# KiCad board 0xaxe.kicad_pcb (continued)
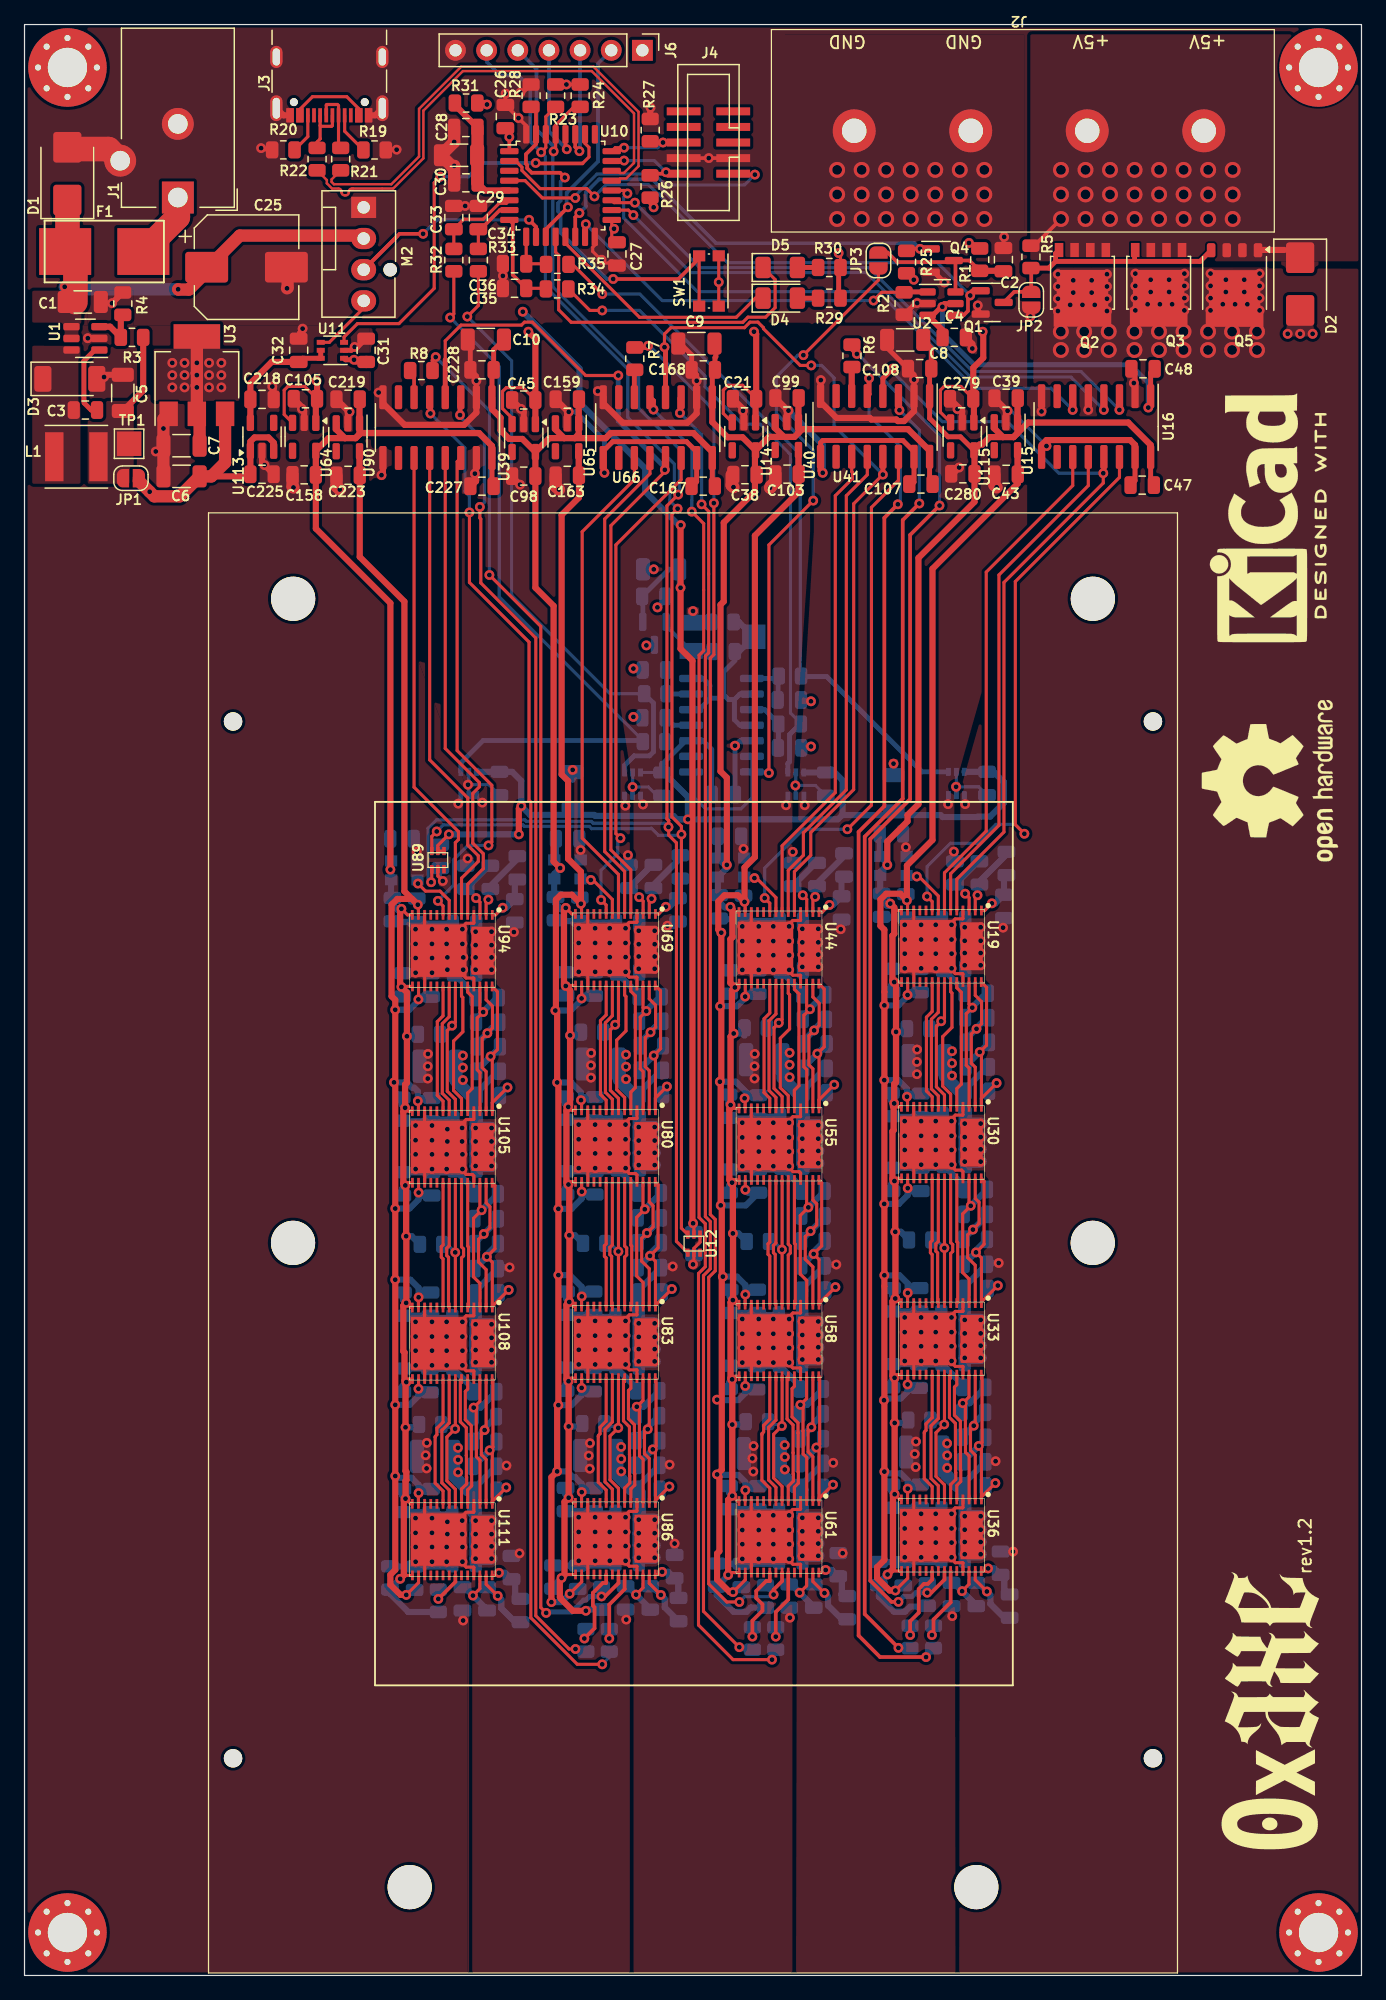
[diagram p0: board, top side]
## Routing (per net, layer and track width the routed paths; a pad name or vN(x,y) marks a point on that pad's centre or on a via; arc(x,y) is an arc through that point) (continued)
+0V8_2: length 132.8
  Top w0.254: v1(45.37,71.34) 45.41,71.29 45.41,70.51 ; v1(44.45,31.11) 45.42,32.08 U86.16 ; v1(45.36,87.34) 45.41,87.29 45.41,86.51 ; U83.16 45.42,47.89 v1(45.42,47.89) ; U69.16 45.42,79.64 v1(45.41,79.63) ; 45.41,38.51 45.41,39.38 v1(45.43,39.39) ; U80.16 45.42,63.88 v1(45.43,63.88) ; 45.41,54.51 45.41,55.33 v1(45.43,55.35)
  Top w0.5: v1(42.96,30.43) 42.96,40.61 v1(43.42,41.08) 43.42,46.38 v1(43.52,46.48) v1(43.52,57.08) v1(43.52,62.48) 43.52,72.68 v1(43.42,72.78) 43.42,78.5 v1(43.28,78.64) 43.32,78.69 43.32,87.68 43.72,88.08 44.62,88.08 v1(45.36,87.34) 45.36,89.96 44.31,91.01 44.31,97.36 43.79,97.88 43.79,119.04 45.2,120.45 C163.1
  Top w0.508: U65.5 45.18,122.28 C163.1
  In1.Cu w0.508: 45.41,63.9 v1(45.43,63.88) ; 45.43,47.9 v1(45.42,47.89)
  Bottom w0.5: v1(45.41,79.63) 45.41,79.52 44.54,78.64 v1(43.28,78.64) ; v1(45.43,55.35) 45.43,56.11 44.46,57.08 v1(43.52,57.08) ; v1(45.37,71.34) 45.37,71.97 44.56,72.78 v1(43.42,72.78) ; v1(45.43,39.39) 45.43,40.06 44.86,40.63 44.7,40.63 44.25,41.08 v1(43.42,41.08) ; v1(43.52,62.48) 44.6,62.48 45.43,63.31 v1(45.43,63.88) ; v1(45.42,47.89) 45.42,47.3 44.6,46.48 v1(43.52,46.48) ; v1(42.96,30.43) 43.77,30.43 v1(44.45,31.11)
  Bottom w0.508: C186.2 45.7,47.6 v1(45.42,47.89) ; C175.2 45.63,79.85 v1(45.41,79.63) ; v1(45.36,87.34) 45.27,87.43 C173.2 ; v1(45.37,71.34) 45.62,71.59 C188.2 ; C184.2 45.82,55.74 v1(45.43,55.35) ; v1(45.43,63.88) 45.67,63.64 C178.2 ; v1(45.43,39.39) 45.77,39.73 C181.2
+0V8_3: length 131.1
  Top w0.254: v1(32.06,87.27) 32.11,87.22 U94.13 ; U105.13 32.11,71.22 v1(32.07,71.26) ; U108.16 32.12,47.82 v1(32.12,47.81) ; v1(32.13,55.27) 32.11,55.25 U108.13 ; U94.16 32.12,79.56 v1(32.11,79.55) ; U105.16 32.12,63.81 v1(32.13,63.8) ; v1(31.12,31.02) 32.12,32.02 U111.16 ; U111.13 32.11,39.3 v1(32.13,39.32)
  Top w0.5: C223.1 27.33,115.61 30.97,111.97 30.97,88.36 v1(32.06,87.27) 31.59,87.74 30.39,87.74 29.92,87.27 29.92,79.81 30.22,79.51 v1(30.22,78.71) v1(30.22,62.51) v1(30.22,56.71) v1(30.22,46.51) v1(30.22,40.71) 30.22,33.06 29.82,32.66 29.82,31.85 30.65,31.02 v1(31.12,31.02)
  Top w0.508: U90.5 27.31,122.28 C223.1
  In1.Cu w0.508: 32.11,63.82 v1(32.13,63.8) ; 32.13,47.82 v1(32.12,47.81)
  Bottom w0.5: v1(30.22,46.51) 31.4,46.51 32.12,47.23 v1(32.12,47.81) ; v1(30.22,56.71) 31.46,56.71 32.13,56.04 v1(32.13,55.27) ; v1(32.07,71.26) 32.07,72.06 31.78,72.35 31.6,72.35 31.22,72.73 31.22,72.79 v1(30.12,72.79) ; v1(30.22,40.71) 30.37,40.56 31.55,40.56 32.13,39.99 v1(32.13,39.32) ; v1(32.11,79.55) 32.11,79.44 31.37,78.71 v1(30.22,78.71) ; v1(32.13,63.8) 32.13,63.24 31.4,62.51 v1(30.22,62.51)
  Bottom w0.508: C244.2 32.52,55.66 v1(32.13,55.27) ; v1(32.11,79.55) 32.33,79.77 C235.2 ; v1(32.13,39.32) 32.47,39.66 C241.2 ; v1(32.07,71.26) 32.32,71.51 C248.2 ; C238.2 32.37,63.57 v1(32.13,63.8) ; v1(32.06,87.27) 31.97,87.36 C233.2 ; v1(32.12,47.81) 32.4,47.53 C246.2
+1V8_0: length 159.2
  Top w0.254: v1(70.99,55.17) 71.37,54.8 U33.14 ; v1(70.9,71.07) 71.18,70.8 U30.14 ; U33.15 71.18,48.96 v1(70.93,48.71) ; U36.15 70.64,32.96 v1(70.36,32.68) ; U19.14 71.15,86.8 v1(70.58,87.36) ; U19.15 v1(70.9,80.96) ; v1(70.92,64.75) 71.14,64.96 U30.15 ; U36.14 71.37,38.8 v1(70.94,39.22)
  Top w0.4: C47.1 91.81,121.73 U16.16 ; 73.28,133.3 73.93,132.65 C108.1 73.79,130.82 U41.1 73.79,126.91 75.3,125.4 76.3,125.4 U115.5
  Top w0.5: U115.5 77.45,124.25 77.45,120.1 72.88,115.53 72.88,95.46 71.99,94.57 71.99,94.06 70.34,92.41 v1(70.34,90.51) ; 73.28,133.3 73.31,133.26 ; U41.1 73.79,127.83
  Top w0.508: v1(70.9,71.07) 70.9,72.64 71.05,72.79 v1(71.05,76.9) 71.05,80.81 v1(70.9,80.96) 70.76,81.11 70.76,84.74 70.91,84.89 70.91,87.03 v1(70.58,87.36) ; 71,55.18 71,60.59 ; 80.64,125.38 80.96,125.7 80.96,128.53 C39.1 ; 80.64,125.38 81.82,126.56 89.98,126.56 91.81,124.73 U16.16 ; 80.64,125.38 79.77,125.38 ; v1(70.92,64.75) 70.76,64.91 70.76,68.79 70.86,68.89 70.86,70.76 70.8,70.82 ; 79.77,125.38 79.06,126.08 U15.3 79.06,126.59 ; 79.77,125.38 78.68,125.38 78.07,124.77 77.87,124.77 U115.5 ; v1(70.99,55.17) 70.76,54.94 70.76,48.88 v1(70.93,48.71) ; v1(70.94,39.22) v1(70.94,45.03) 70.94,48.7 ; v1(70.36,32.68) 70.8,33.12 70.8,39.08 70.94,39.22 ; v1(70.99,60.61) 70.99,64.68
  In1.Cu w0.508: 71,60.59 v1(70.99,60.61) ; 70.94,39.22 v1(70.94,39.22) 70.99,39.17 ; 70.99,64.68 v1(70.92,64.75) 70.92,64.76 70.99,64.82 ; v1(70.99,55.17) 71,55.18 ; 70.8,70.82 70.8,70.97 v1(70.9,71.07) 70.94,71.07 70.99,71.02 ; v1(70.93,48.71) 70.94,48.7
  Bottom w0.254: 73.63,30.03 74.05,30.03
  Bottom w0.5: C78.1 69.76,88.29 U13.4 ; C75.1 69.66,30.87 70.88,29.65 71.79,29.65 72.2,30.06 73.53,30.06 R41.2 ; C40.1 69.72,91.24 U13.1
  Bottom w0.508: 71.94,76.73 71.77,76.9 v1(71.05,76.9) ; v1(70.9,71.07) 70.64,71.34 C85.1 ; 70.48,87.18 70.32,87.18 69.87,87.63 C78.1 ; v1(70.99,55.17) 70.74,55.43 C73.1 ; v1(70.9,80.96) 70.69,80.75 C86.1 ; v1(70.93,48.71) 70.69,48.47 C83.1 ; 69.67,31.48 69.67,31.99 v1(70.36,32.68) ; C80.1 70.69,39.47 v1(70.94,39.22) ; v1(70.92,64.75) 70.69,64.51 C71.1 ; U13.4 69.76,89.93 v1(70.34,90.51) 70.34,90.62 U13.1 ; R39.2 71.45,60.61 v1(70.99,60.61) ; 72.04,45.03 v1(70.94,45.03) ; 73.49,30.03 R41.2
+1V8_1: length 154.3
  Top w0.254: v1(57.7,39.09) 58.13,38.67 U61.14 ; U61.15 57.55,32.83 v1(57.36,32.65) ; v1(57.92,80.52) 58.23,80.83 U44.15 ; v1(57.55,87.08) 57.97,86.67 U44.14 ; U58.15 57.94,48.83 v1(57.69,48.58) ; v1(57.75,55.04) 58.13,54.67 U58.14 ; v1(57.56,70.94) 57.84,70.67 U55.14 ; v1(57.68,64.62) 57.9,64.83 U55.15
  Top w0.4: U66.1 56.07,130.64 C168.1 56.29,131.86 56.37,131.93 56.37,133.16 ; U41.16 73.79,122.05 74.28,121.56
  Top w0.5: U66.1 56.07,126.61 57.32,125.36 58.54,125.36 U14.5 59.55,124.25 59.55,120.95 57.01,118.41 57.01,111.97 56.74,111.71 56.74,98.14 57.26,97.62 v1(57.26,90.51)
  Top w0.508: 57.7,48.57 v1(57.7,44.9) v1(57.7,39.09) 57.36,38.75 v1(57.36,32.65) ; 61.19,126.61 U40.3 61.2,126.1 61.9,125.39 ; v1(57.75,55.04) 57.56,54.85 57.56,48.71 v1(57.69,48.58) ; v1(57.75,60.48) 57.75,64.55 ; 57.76,55.06 57.76,60.47 ; v1(57.56,70.94) 57.56,76.52 v1(57.82,76.77) 57.67,76.91 57.67,80.28 v1(57.92,80.52) 57.55,80.89 57.55,84.45 57.71,84.61 57.71,86.92 v1(57.55,87.08) ; v1(57.68,64.62) 57.46,64.84 57.46,70.59 57.56,70.69 ; 63.1,125.72 62.78,125.39 61.9,125.39 ; 63.1,125.72 63.1,128.54 C99.1 ; 63.1,125.72 63.41,126.03 72.03,126.03 73.79,124.27 U41.16 ; 61.9,125.39 60.69,125.39 U14.5 ; 57.15,90.62 v1(57.26,90.51)
  In1.Cu w0.508: 57.56,70.69 v1(57.56,70.94) 57.7,70.94 57.75,70.89 ; 57.75,64.55 v1(57.68,64.62) 57.68,64.63 57.75,64.69 ; 57.76,60.47 v1(57.75,60.48) ; v1(57.75,55.04) 57.76,55.06 ; v1(57.69,48.58) 57.7,48.57 ; 57.27,32.55 v1(57.36,32.65) ; 57.75,39.04 v1(57.7,39.09)
  Bottom w0.254: 60.39,29.9 60.81,29.9
  Bottom w0.5: C100.1 56.52,91.07 U38.1 ; 60.36,29.98 59.22,29.98 58.87,29.64 57.81,29.64 56.43,31.01 C135.1 ; U38.4 56.52,88.16 C138.1
  Bottom w0.508: v1(57.69,48.58) 57.45,48.34 C143.1 ; C131.1 57.45,64.38 v1(57.68,64.62) ; U38.1 57.09,90.51 v1(57.26,90.51) 57.26,90.26 U38.4 ; v1(57.56,70.94) 57.4,71.11 C145.1 ; 58.8,44.9 v1(57.7,44.9) ; C140.1 57.45,39.34 v1(57.7,39.09) ; v1(57.82,76.77) 58.53,76.77 58.7,76.6 ; C138.1 56.63,87.5 57.08,87.05 57.24,87.05 ; v1(57.75,60.48) 58.21,60.48 R45.2 ; C133.1 57.5,55.3 v1(57.75,55.04) ; v1(57.36,32.65) 57.36,32.61 C135.1 56.43,31.35 ; C146.1 57.45,80.05 v1(57.92,80.52)
+1V8_2: length 154.9
  Top w0.254: U80.15 44.56,64.68 v1(44.35,64.46) ; U69.15 44.16,80.68 v1(44.13,80.64) ; v1(44.41,54.89) 44.79,54.51 U83.14 ; U86.14 44.79,38.51 v1(44.36,38.94) ; v1(44.35,48.43) 44.61,48.68 U83.15 ; U80.14 44.6,70.51 v1(44.33,70.79) ; U86.15 44.07,32.68 v1(43.78,32.4) ; v1(44.13,87.01) 44.62,86.51 U69.14
  Top w0.4: U66.16 56.07,121.64 56.33,121.38 ; U91.1 38.11,130.72 C228.1 38.25,132.49 C10.1
  Top w0.5: v1(45.77,29.72) 44.7,29.72 43.72,30.7 43.72,30.76 43.65,30.84 43.65,32.26 v1(43.78,32.4) ; U91.1 38.11,127.65 38.81,126.95 38.81,125.93 39.51,125.23 40.59,125.23 U39.5 C98.1 41.65,113.1 43.13,111.62 43.13,90.79 v1(43.67,90.25)
  Top w0.508: U66.16 56.07,124.17 54.53,125.71 47.8,125.71 47.38,125.29 44.86,125.29 ; v1(44.35,64.46) 44.18,64.63 44.18,70.49 44.33,70.64 v1(44.33,70.79) 44.48,70.94 v1(44.48,76.62) 44.48,80.29 v1(44.13,80.64) 43.98,80.79 43.98,86.86 v1(44.13,87.01) ; 43.99,125.29 44.86,125.29 ; 43.99,125.29 43.28,126 U65.3 43.28,126.5 ; 43.99,125.29 42.78,125.29 U39.5 ; 44.86,125.29 45.18,125.62 45.18,128.44 C159.1 ; v1(44.41,54.89) 44.18,54.66 44.18,48.6 v1(44.35,48.43) 44.36,48.42 v1(44.36,44.75) v1(44.36,38.94) 44.02,38.6 44.02,32.64 v1(43.78,32.4) ; v1(44.41,60.32) 44.41,64.4 ; 44.43,54.9 44.43,60.31
  In1.Cu w0.508: v1(44.41,54.89) 44.43,54.9 ; 44.41,70.74 44.36,70.79 v1(44.33,70.79) ; 44.41,64.4 v1(44.35,64.46) 44.35,64.47 44.41,64.54 ; 44.43,60.31 v1(44.41,60.32) ; 44.41,38.89 v1(44.36,38.94) ; 43.97,80.64 v1(44.13,80.64)
  Bottom w0.254: 47.05,29.74 47.47,29.74
  Bottom w0.5: C160.1 43.32,91.06 U63.1 ; v1(45.77,29.72) 45.87,29.83 R53.2 ; U63.4 43.19,88 C198.1
  Bottom w0.508: U63.4 43.19,89.77 v1(43.67,90.25) 43.19,90.74 U63.1 ; C193.1 44.16,55.14 v1(44.41,54.89) ; v1(43.78,32.4) 43.09,31.71 C195.1 ; v1(44.35,64.46) 44.11,64.23 C191.1 ; C200.1 44.11,39.19 v1(44.36,38.94) ; 45.36,76.45 45.19,76.62 v1(44.48,76.62) ; R51.2 44.87,60.32 v1(44.41,60.32) ; C205.1 44.06,71.06 v1(44.33,70.79) ; v1(44.35,48.43) 44.11,48.18 C203.1 ; 43.91,86.9 43.75,86.9 43.3,87.35 C198.1 ; 45.46,44.75 v1(44.36,44.75) ; v1(44.13,80.64) 44.11,80.63 C206.1
+1V8_3: length 144.5
  Top w0.254: v1(31.03,70.71) 31.3,70.44 31.61,70.44 ; 31.61,86.44 31.22,86.44 v1(30.73,86.93) ; v1(30.73,80.57) 30.76,80.61 U94.15 ; v1(31.06,38.86) 31.49,38.44 31.61,38.44 ; v1(31.05,64.39) 31.26,64.61 U105.15 ; v1(31.11,54.81) 31.49,54.44 31.61,54.44 ; v1(31.13,48.36) 31.37,48.61 U108.15 ; U111.15 30.91,32.61 v1(30.63,32.32)
  Top w0.4: U91.16 38.11,121.64 38.37,121.38
  Top w0.5: v1(29.83,90.13) 29.83,111.84 23.75,117.92 C158.1
  Top w0.508: 31.06,38.86 30.92,38.72 30.92,32.62 v1(30.63,32.32) ; 30.92,70.46 30.88,70.42 30.88,64.55 v1(31.05,64.39) ; 25.41,126.5 U90.3 25.41,126 26.12,125.29 ; v1(31.06,38.86) 31.06,40.31 31.13,40.38 31.13,41.05 31.06,41.11 v1(31.06,44.67) 31.06,48.34 ; 26.12,125.29 26.99,125.29 ; 26.12,125.29 24.78,125.29 U64.5 C158.1 ; v1(31.11,54.81) 30.88,54.58 30.88,50.88 30.98,50.78 30.98,48.5 v1(31.13,48.36) ; 31.13,54.83 31.13,60.24 ; U91.16 38.11,124.65 37.06,125.7 27.4,125.7 26.99,125.29 ; v1(31.03,70.71) 31.03,72.61 31.18,72.76 v1(31.18,76.54) 31.18,80.12 v1(30.73,80.57) 30.62,80.67 30.62,86.83 v1(30.73,86.93) ; 26.99,125.29 27.31,125.62 27.31,128.44 C219.1 ; v1(31.11,60.25) 31.11,64.32
  In1.Cu w0.508: 31.06,48.34 31.08,48.36 v1(31.13,48.36) ; 31.06,38.86 v1(31.06,38.86) 31.11,38.81 ; v1(31.11,54.81) 31.13,54.83 ; 31.11,64.47 31.05,64.4 v1(31.05,64.39) 31.11,64.32 ; 30.67,80.57 v1(30.73,80.57) ; 30.92,70.46 30.92,70.61 v1(31.03,70.71) 31.06,70.71 31.11,70.66 ; 31.13,60.24 v1(31.11,60.25) ; 30.48,32.32 v1(30.63,32.32)
  Bottom w0.254: 33.75,29.67 34.17,29.67
  Bottom w0.5: C220.1 29.82,90.91 U88.1 ; C258.1 29.89,87.93 U88.4
  Bottom w0.508: 30.61,86.82 30.45,86.82 30,87.27 C258.1 ; R59.2 31.29,29.62 29.79,31.12 C255.1 29.79,31.49 v1(30.63,32.32) ; v1(30.73,80.57) 30.81,80.49 C266.1 ; v1(31.11,54.81) 30.86,55.07 C253.1 ; C260.1 30.81,39.12 v1(31.06,38.86) ; C265.1 30.76,70.98 v1(31.03,70.71) ; v1(31.13,48.36) 30.81,48.04 C263.1 ; v1(31.05,64.39) 30.81,64.15 C251.1 ; U88.1 29.83,90.79 v1(29.83,90.13) 29.89,90.07 U88.4 ; 32.06,76.37 31.89,76.54 v1(31.18,76.54) ; v1(31.11,60.25) 31.57,60.25 R57.2 ; 32.16,44.67 v1(31.06,44.67)
+3V3: length 233.1
  Top w0.254: 56.6,139.95 v1(56.6,138.01) 56.6,135.85 ; v1(66.37,140.37) 66.53,140.22 R30.1 ; v1(34.6,93) 33.7,92.1 U89.5 U89.4 ; U12.5 54.57,61.24 v1(54.51,61.3) ; U10.17 47.88,141.68 48.3,141.25 ; R26.2 51,144.39 v1(51.29,144.1)
  Top w0.3: U10.1 39.53,150.23 C26.1 ; R23.1 R24.1 ; R25.2 71.97,138.73 v1(72.5,138.2)
  Top w0.4: U2.5 75,136.26 74.75,136.01 ; 74.75,136.01 74.05,135.31 U2.3 ; 74.75,136.01 74.82,136.01 v1(74.83,135.99) ; 74.06,135.19 74.03,135.23 ; U16.1 91.81,130.61 92.14,130.94 ; C31.1 27.04,131.5 v1(26.86,131.68) 26.17,131.68 U11.1 ; 66.37,136.7 66.37,139.2
  Top w0.5: v1(37.7,152.48) 37.58,152.6 R31.2 ; v1(54.51,61.3) 54.46,61.35 54.46,107.15 53.48,108.13 v1(53.48,113.1) 53.48,118.18 v1(53.5,118.2) ; U2.3 74.85,134.08 C4.1 ; v1(40.3,93) 40.3,95.1 v1(40.5,95.3)
  Top w1: U3.2 14.05,130.58 14.05,130.58 14.05,130.57 14.05,129.58 14.05,129.58 14.05,129.57 U3.2 14.27,127.05 C7.1 ; C31.1 27.88,131.5
  Bottom w0.254: C165.1 33.9,92.3 v1(34.6,93) ; U6.6 51.57,98.05 ; v1(54.51,61.3) 54.57,61.24 C37.1
  Bottom w0.4: U9.3 55.32,100.63 56.02,99.93 C22.1 ; U8.1 50.41,112.34 C15.1 52.55,114.6 C23.1 53.38,113.21 v1(53.48,113.1) ; v1(74.83,135.99) 74.83,133.86 77.42,131.27 90.15,131.27 91.62,129.81 v1(91.62,127.78) 91.75,127.65 ; 53.86,100.63 53.86,100.59 52.01,98.75 51.98,98.75
  Bottom w0.5: U5.6 C13.1 66.05,98.05 66.7,97.39 66.7,94.62 66.66,94.57 ; U7.6 C12.1 39.76,98.1 40.5,97.36 v1(40.5,95.3) 41.21,94.59 46.44,94.59 46.52,94.5 52.92,94.5 53.2,94.22 ; 66.66,94.57 74.69,94.57 74.86,94.41 77.67,94.41 77.71,94.45 78.73,94.45 79.85,95.57 79.85,97.25 79.01,98.1 C11.1 U4.6 ; 66.66,94.57 66.31,94.22 53.2,94.22 ; v1(34.6,93) v1(40.3,93) ; 51.98,98.75 C14.1 52.08,98.05 54.08,96.05 v1(54.08,94.22) 53.2,94.22 ; v1(40.62,135.59) 45.25,130.97 45.25,128.17 50.6,122.82 50.6,120.94 53.34,118.2 v1(53.5,118.2) ; U9.3 53.86,100.63
  vias: v1(12.05,131.43) v1(12.05,130.43) v1(12.05,129.43) v1(13.05,131.43) v1(13.05,130.43) v1(13.05,129.43) v1(14.05,131.43) v1(14.05,130.43) v1(14.05,129.43) v1(15.05,131.43) v1(15.05,130.43) v1(15.05,129.43) v1(16.05,131.43) v1(16.05,130.43) v1(16.05,129.43) v1(39.53,149.83) v1(44.18,154.12) v1(48.06,142.35) v1(77,141.2)
+3V3A: length 12.4
  Top w0.5: U10.5 37.56,145.48 C29.1 ; R31.1 35.09,152.45 C28.1
  Top w1: C28.1 C29.1 36.93,148.32 C30.1
+5V: length 10.5
  Top w0.4: U11.5 U11.6 22.65,131.8 C32.1
  Top w0.5: U113.5 C218.1 18.41,129.76 20.15,131.5 C32.1
+5V_PWR: length 69.4
  Top w0.5: 84.43,132.49 84.43,132.74
  Bottom w0.254: U4.1 76.62,95.53 v1(76.69,95.46)
  Bottom w0.508: v1(80.59,34.55) 80.59,34.55 C94.1 ; C51.1 C72.1 C62.1 ; C65.1 76.66,34.32 v1(76.65,34.33) ; v1(79.42,58.07) 78.57,58.07 77.63,57.12 ; C59.1 76.7,84.13 C70.1 76.75,82.13 C50.1 ; v1(76.65,37.43) 76.66,37.44 C54.1 76.44,38.15 76.44,39.96 C89.1 79.12,41.86 v1(79.17,41.91) ; 77.63,57.12 76.64,56.13 76.64,55.98 ; 77.63,57.12 78.47,57.97 ; v1(79.78,85.4) 79.85,85.47 C46.2 ; v1(76.65,35.33) 76.66,35.34 C76.1 76.66,36.32 v1(76.65,36.33) ; 76.63,53.95 76.63,52 76.58,51.95 76.58,49.95 ; 78.5,74.05 76.61,72.16 76.61,72.07
  Bottom w1: v1(77.95,37.43) v1(76.65,37.43) v1(76.65,36.33) ; v1(77.95,50.33) v1(76.65,50.33) v1(76.65,51.33) ; 76.63,53.95 76.63,55.98 76.64,55.98 ; C62.1 76.61,70.25 76.61,72.07 ; v1(76.65,36.33) v1(76.65,35.33) ; v1(76.65,36.33) v1(77.95,36.33) ; v1(76.65,35.33) v1(76.65,34.33) v1(77.95,34.33) ; v1(76.65,35.33) v1(77.95,35.33) ; 76.61,72.07 76.65,72.03 v1(76.65,69.43) ; 76.61,72.07 76.23,72.07 75.03,73.27 ; v1(77.95,53.43) v1(76.65,53.43) v1(76.65,52.33) ; v1(76.65,67.33) v1(76.65,68.33) ; v1(76.65,67.33) v1(76.65,66.33) v1(77.95,66.33) ; v1(76.65,67.33) v1(77.95,67.33) ; v1(76.65,68.33) v1(77.95,68.33) ; v1(76.65,68.33) v1(76.65,69.43) ; v1(76.65,52.33) v1(77.95,52.33) ; v1(76.65,52.33) v1(76.65,51.33) ; v1(76.65,51.33) v1(77.95,51.33) ; v1(76.65,69.43) v1(77.95,69.43) ; C54.1 76.7,37.98 76.7,38.82 76.45,39.07 C93.2 76.05,39.9 74.83,41.12 74.83,42.43
  vias: v1(75.22,43.36) v1(75.22,42.38) v1(75.22,41.36) v1(75.61,75.33) v1(75.61,74.35) v1(75.61,73.33) v1(76.65,85.43) v1(76.65,84.33) v1(76.65,83.33) v1(76.65,82.33) v1(77.95,85.43) v1(77.95,84.33) v1(77.95,83.33) v1(77.95,82.33) v1(84.25,138.65) v1(84.25,137.65) v1(84.25,136.65) v1(84.25,135.65) v1(85.25,136.15) v1(85.5,138.15) v1(85.5,137.15) v1(86.25,136.15) v1(87,138.15) v1(87,137.15) v1(87.25,136.15) v1(88.25,138.65) v1(88.25,137.65) v1(88.25,136.65) v1(88.25,135.65) v1(90.56,138.7) v1(90.56,137.7) v1(90.56,136.7) v1(90.56,135.7) v1(91.56,136.2) v1(91.81,138.2) v1(91.81,137.2) v1(92.56,136.2) v1(93.31,138.2) v1(93.31,137.2) v1(93.56,136.2) v1(94.56,138.7) v1(94.56,137.7) v1(94.56,136.7) v1(94.56,135.7) v1(96.69,138.7) v1(96.69,137.7) v1(96.69,136.7) v1(96.69,135.7) v1(97.69,136.2) v1(97.94,138.2) v1(97.94,137.2) v1(98.69,136.2) v1(99.44,138.2) v1(99.44,137.2) v1(99.69,136.2) v1(100.69,138.7) v1(100.69,137.7) v1(100.69,136.7) v1(100.69,135.7) v2(84.49,133.97) v2(84.49,132.47) v2(86.39,133.97) v2(86.39,132.47) v2(88.39,133.97) v2(88.39,132.47) v2(90.49,133.97) v2(90.49,132.47) v2(92.49,133.97) v2(92.49,132.47) v2(94.49,133.97) v2(94.49,132.47) v2(96.49,133.97) v2(96.49,132.47) v2(98.45,133.97) v2(98.45,132.47) v2(100.48,133.97) v2(100.48,132.47)
+5V_PWR_EXT: length 5.5
  Top w0.3: R5.2 82.32,140.98 v2(84.5,143.15)
  Top w0.5: 100.61,140.63 102.71,140.63
  vias: v2(84.5,147.15) v2(84.5,145.15) v2(86.5,147.15) v2(86.5,145.15) v2(86.5,143.15) v2(88.5,147.15) v2(88.5,145.15) v2(88.5,143.15) v2(90.5,147.15) v2(90.5,145.15) v2(90.5,143.15) v2(92.5,147.15) v2(92.5,145.15) v2(92.5,143.15) v2(94.5,147.15) v2(94.5,145.15) v2(94.5,143.15) v2(96.5,147.15) v2(96.5,145.15) v2(96.5,143.15) v2(98.5,147.15) v2(98.5,145.15) v2(98.5,143.15)
+6.5V: length 154.7
  Top w0.254: C279.1 76.35,129.5 74.97,129.5 74.67,129.2 74.67,127.4 U115.3 ; U64.3 21.17,127.22 21.17,129.2 21.47,129.5 22.85,129.5 C105.1 ; U14.3 56.97,127.3 56.97,129.2 57.37,129.6 58.55,129.6 C21.1 ; C45.1 40.65,129.4 39.27,129.4 38.97,129.1 38.97,127.7 39.75,126.92 U39.3
  Top w0.5: U14.1 59.6,128.45 C21.1 59.65,133.79 v1(59.47,133.97) ; U113.3 20.31,124.92 19.89,125.35 18.75,125.35 18.41,125.01 U113.1 C225.1 18.24,122.17 C6.1 ; U39.1 C45.1 41.65,133.4 v1(41.08,133.97) ; U115.1 77.4,128.45 C279.1 77.35,131.02 78.16,131.83 78.16,133.92 v1(78.11,133.97) ; U64.1 23.75,128.4 C105.1 23.85,129.91 v1(23.81,129.96)
  Top w1: JP1.2 9.33,121.8 v1(10.2,120.92) 10.58,120.55 12.65,120.55 C6.1 15.23,122.17 16.35,123.29 U3.3
  In2.Cu w1: v1(10.2,120.92) 10.72,120.4 18.96,120.4 21.42,122.87 21.42,129.32 22.06,129.96 v1(23.81,129.96) 24.01,130.16 29.62,130.16 30.08,130.62 30.08,133.28 30.77,133.97 42.76,133.97 ; v1(41.08,133.97) 42.76,133.97 ; 42.76,133.97 v1(59.47,133.97) v1(78.11,133.97)
+12V: length 35.1
  Top w1: 27.7,141.8 17.55,141.8 14.95,139.2 14.95,138.95 13.4,137.4 12.55,137.4 v1(12.52,137.42)
  Top w2: 3.5,144.55 3.5,140.69 F1.1 4.15,139.67 4.15,136.37
  Bottom w1: v1(12.52,137.42) 3.47,137.42 v1(3.27,137.62)
/flex/2.5V: length 5
  Bottom w0.3: U8.2 52.31,109.99 RV1.1
  Bottom w0.5: RV1.1 54.4,107.9 R60.1
GND: length 241.1
  Top w0.254: 32.61,84.67 U94.30 ; 32.61,84.67 33.07,84.21 33.07,83.97 33.32,83.97 U94.30 ; 32.61,84.67 33.07,84.97 ; 32.61,84.67 U94.12 ; U94.30 33.22,82.97 33.07,82.97 33.07,82.83 32.62,82.38 U94.17 ; U94.30 34.32,82.97 v1(34.47,82.97) 34.47,82.81 36,81.29 36.59,81.29 36.63,81.26 U94.25 ; U94.30 34.22,83.97 34.47,83.97 34.47,84.23 35.32,85.07 35.77,85.07 35.77,85.53 36,85.75 36.59,85.75 36.63,85.79 U94.4 ; U12.4 55.07,59.76 54.57,59.26 U12.2 54.57,58.02 v1(54.5,57.95) ; U105.30 32.61,68.67 U105.12 ; U105.30 36.01,65.28 36.52,65.28 36.63,65.17 U105.25 ; U105.30 32.62,66.38 U105.17 ; U105.30 36.01,69.76 36.61,69.76 36.63,69.79 U105.4 ; U108.17 32.62,50.38 U108.30 ; U111.12 32.61,36.67 U111.30 ; U111.30 32.62,34.38 U111.17 ; U111.30 36.01,33.28 36.61,33.28 36.63,33.26 U111.25 ; U111.30 36,37.75 36.59,37.75 36.63,37.79 U111.4 ; U108.12 32.61,52.67 U108.30 ; C32.2 22.35,133.89 v1(22.67,134.22) ; U108.25 36.63,49.26 36.61,49.28 36.01,49.28 U108.30 ; R20.1 19.43,148.78 v1(19.29,148.93) ; v1(86.72,127.59) 86.73,127.6 U16.5 ; U108.4 36.63,53.79 36.61,53.76 36.01,53.76 U108.30 ; v1(82.91,127.47) 82.92,127.47 U16.8 ; 34.62,65.6 34.62,65.61 ; v1(34.1,89.2) 33.7,89.6 U89.2 ; C27.2 47.93,139.73 47.77,139.73 47.6,139.56 47.27,139.56 46.32,140.51 46.32,140.84 46.56,141.08 46.57,141.08 46.5,141.15 U10.16 ; R19.1 30.31,148.78 v1(30.34,148.8) ; v1(82,135.2) 82.08,135.28 JP2.1 ; 34.62,50.6 34.62,50.61
  Top w0.3: C2.2 79.81,141.63 v1(79.87,141.69) ; C35.2 C36.2 ; U10.32 40.9,150.75 C26.2 39.2,153.35 v1(39.23,153.37) ; C34.2 C33.2 ; J4.4 J4.3 ; v1(40.43,153.45) 40.63,153.45 R28.1
  Top w0.4: v1(36.72,122.4) 36.84,122.28 36.84,121.74 ; U16.2 90.54,130.64 C48.2 ; U2.2 72.61,136.26 R2.1 ; U11.2 26.64,132.45 v1(26.91,132.73) 27.18,132.73 C31.2 ; 36.84,121.74 36.47,121.38 ; 36.84,121.74 U91.15 ; v1(75,137.98) 74.16,138.82 Q4.2
  Top w0.5: J3.S1 28.59,151.6 J3.A1 ; C218.2 20.31,129.39 v1(20.2,129.5) ; D3.2 6.23,130.45 C5.2 ; J3.S1 21.1,151.6 J3.A12 ; v1(5.16,133.44) 5.17,133.42 U1.2 ; U91.9 29.22,122.39 v1(29.1,122.28) ; R27.1 51.01,152.21 v1(51.04,152.23) ; v1(77.72,136.11) 77.72,135.64 77.95,135.4 ; U113.2 19.36,123.3 C225.2 ; C105.2 22.61,127.84 v1(22.61,127.68) 22.8,127.49 U64.2 ; R4.2 v1(7.13,136.29) ; v1(77.28,132.6) 77.28,132.97 C4.2
  Top w0.508: C219.2 26.36,127.53 U90.2
  Top w1: C223.2 25.43,121.37 v1(25.7,121.1) ; 21.45,139.2 21.45,137.55 v1(21.4,137.5) ; C6.2 C7.2 11.33,126.85 U3.1 ; 35.03,146.1 v1(35.03,147.48) 34.82,147.48 C30.2 v1(35.03,149.43) 35.03,150.6 ; C158.2 21.85,121.35 v1(21.93,121.27)
  Top w2: 3.5,148.85 6.85,148.85 J1.3
  Bottom w0.254: v1(49.57,96.86) 50.86,96.86 51.57,96.15 ; v1(49.57,96.86) U6.5 ; v1(49.57,96.86) U6.2 ; v1(35.36,95.5) 35.57,95.71 U7.3 ; v1(54.5,57.95) 54.5,58.62 C37.2 ; U4.2 75.97,96.85 v1(75.95,96.87) ; U7.5 36.22,97.11 v1(36.16,97.05) ; U4.5 75.97,96.9 v1(75.95,96.87) ; U7.2 36.22,96.98 v1(36.16,97.05) ; v1(62.85,96.99) 62.88,97.02 U5.5 ; v1(62.85,96.99) 62.88,96.95 U5.2 ; v1(62.85,96.99) 64.48,96.99 C13.2 ; v1(36.16,97.05) 37.87,97.05 C12.2 ; v1(75.95,96.87) 77.8,96.87 C11.2 ; C165.2 33.9,89.4 v1(34.1,89.2)
  Bottom w0.3: v1(50.7,108.4) 50.74,108.44 U8.3
  Bottom w0.4: v1(49.64,106.51) 49.79,106.36 50.52,106.36 ; 50.42,114.6 v1(51.3,114.6) ; 63.29,100.14 64.1,100.14 v1(64.12,100.16) ; 59.3,100.63 58.32,100.63 v1(57.92,100.23) C22.2 ; 63.26,103.95 64.01,103.95 v1(64.12,103.84) ; v1(51.6,111.5) 52.25,112.15 C15.2 ; v1(54.5,111.2) 54.35,111.05 RV1.3 ; v1(49.64,102.57) 49.66,102.55 50.41,102.55
  Bottom w0.5: 44.69,97.44 v1(44.69,98.26) ; C20.2 v1(70.85,98.76) ; RV1.3 54.4,110.3 R61.2
  Bottom w0.508: C231.2 C252.2 C242.2 33.34,69.75 C248.1 30.81,69.61 C265.2 ; C231.2 36.69,64.03 C267.2 ; C231.2 34.69,65.47 C238.1 C251.2 ; U88.2 32.04,91.53 v1(31.98,91.59) ; C277.2 35.7,28.98 v1(35.76,28.93) ; C266.2 33.07,81.97 33.13,81.69 C235.1 34.17,81.67 v1(34.47,81.97) 34.77,81.67 34.87,81.67 C230.2 36.62,80.02 36.62,79.7 ; 35.37,83.47 34.92,83.67 C250.2 ; C260.2 C241.1 33.33,37.58 C234.2 C256.2 C245.2 34.63,33.32 C240.1 29.81,33.32 C255.2 ; 34.8,49.59 34.8,53.54 34.85,53.59 33.26,53.59 C244.1 C253.2 ; 34.8,49.59 36.56,47.83 C272.2 ; 34.8,49.59 34.64,49.43 C246.1 33.01,49.46 C263.2 ; C258.2 30.06,85.86 31.97,85.86 C233.1 32.12,85.72 C239.2 34.97,85.67 34.97,85.47 34.47,84.97 ; v1(36.13,91.03) 35.97,90.88 C221.1
  vias: v1(6.48,130.27) v1(10.7,124.2) v1(11.33,126.08) v1(19.57,123.09) v1(26.5,127.43) v1(31.88,85.27) v1(31.88,84.07) v1(31.88,82.92) v1(31.88,81.72) v1(31.88,69.27) v1(31.88,68.07) v1(31.88,66.92) v1(31.88,65.72) v1(31.88,53.27) v1(31.88,52.07) v1(31.88,50.92) v1(31.88,49.72) v1(31.88,37.27) v1(31.88,36.07) v1(31.88,34.92) v1(31.88,33.72) v1(32.7,42.39) v1(32.8,43.41) v1(32.78,41.33) v1(32.89,75.11) v1(32.87,74.1) v1(32.87,73.1) v1(33.22,85.27) v1(33.22,84.07) v1(33.22,82.92) v1(33.22,81.72) v1(33.22,69.27) v1(33.22,68.07) v1(33.22,66.92) v1(33.22,65.72) v1(33.22,53.27) v1(33.22,52.07) v1(33.22,50.92) v1(33.22,49.72) v1(33.22,37.27) v1(33.22,36.07) v1(33.22,34.92) v1(33.22,33.72) v1(34.41,85.27) v1(34.41,84.07) v1(34.41,66.92) v1(34.41,65.72) v1(34.41,53.27) v1(34.41,52.07) v1(34.41,50.92) v1(34.41,49.72) v1(34.41,34.92) v1(34.41,33.72) v1(34.47,68.97) v1(34.47,67.97) v1(34.47,36.97) v1(34.47,35.97) v1(35.7,85.27) v1(35.7,84.07) v1(35.67,69.07) v1(35.67,67.97) v1(35.7,66.92) v1(35.7,65.72) v1(35.7,53.27) v1(35.7,52.07) v1(35.7,50.92) v1(35.7,49.72) v1(35.68,37.07) v1(35.68,35.97) v1(35.7,34.92) v1(35.7,33.72) v1(35.77,82.97) v1(35.76,81.97) v1(35.92,144.22) v1(39,138.51) v1(40.28,151.38) v1(47.04,139.83) v1(55.79,148.11) v1(72.77,136.3) v1(90.44,129.78) v1(102.98,133.79) v1(104,133.79) v1(105.02,133.79) v2(66.25,147.15) v2(66.25,145.15) v2(66.25,143.15) v2(68.25,147.15) v2(68.25,145.15) v2(68.25,143.15) v2(70.25,147.15) v2(70.25,145.15) v2(70.25,143.15) v2(72.25,147.15) v2(72.25,145.15) v2(72.25,143.15) v2(74.25,147.15) v2(74.25,145.15) v2(74.25,143.15) v2(76.25,147.15) v2(76.25,145.15) v2(76.25,143.15) v2(78.25,147.15) v2(78.25,145.15) v2(78.25,143.15)
V1_G0: length 235.3
  Top w0.254: U19.4 76.51,86.15 76.47,86.11 75.87,86.11 75.65,85.89 75.65,85.43 75.19,85.43 74.35,84.59 74.35,84.33 74.09,84.33 U19.30 ; U19.30 74.19,83.33 74.35,83.33 74.35,83.17 75.87,81.65 76.47,81.65 76.51,81.61 U19.25 ; U19.30 72.49,85.03 ; U19.30 73.19,84.33 72.95,84.33 72.95,84.57 72.49,85.03 ; U19.30 73.09,83.33 72.95,83.33 72.95,83.19 72.5,82.74 U19.17 ; U30.4 76.51,70.15 76.48,70.12 75.88,70.12 U30.30 ; U36.30 72.5,34.74 U36.17 ; U36.30 75.87,38.11 76.47,38.11 76.51,38.15 U36.4 ; U36.30 72.49,37.03 U36.12 ; U36.30 75.88,33.64 76.48,33.64 76.51,33.61 U36.25 ; U33.30 75.88,49.64 76.48,49.64 76.51,49.61 U33.25 ; U33.30 72.5,50.74 U33.17 ; U33.30 75.88,54.12 76.48,54.12 76.51,54.15 U33.4 ; U33.30 72.49,53.03 U33.12 ; U30.30 72.5,66.74 U30.17 ; U30.30 75.88,65.64 76.4,65.64 76.51,65.53 U30.25 ; U30.30 72.49,69.03 U30.12 ; 74.5,50.96 74.5,50.96 ; 74.5,65.96 74.5,65.96 ; 72.49,85.03 72.95,85.33 ; 72.49,85.03 U19.12